# Altium PCB JTAG批量下载板-V1.6-ASCII.PcbDoc (part 10 of 14)
Units mil, origin at the board's own origin, x right, y up, seen from the top; angles counter-clockwise.
Board outline 7947.6 x 7007.76 mil, 2 copper layers (Top Layer, Bottom Layer); 207 components, 340 nets, 1329 pads, 792 vias.
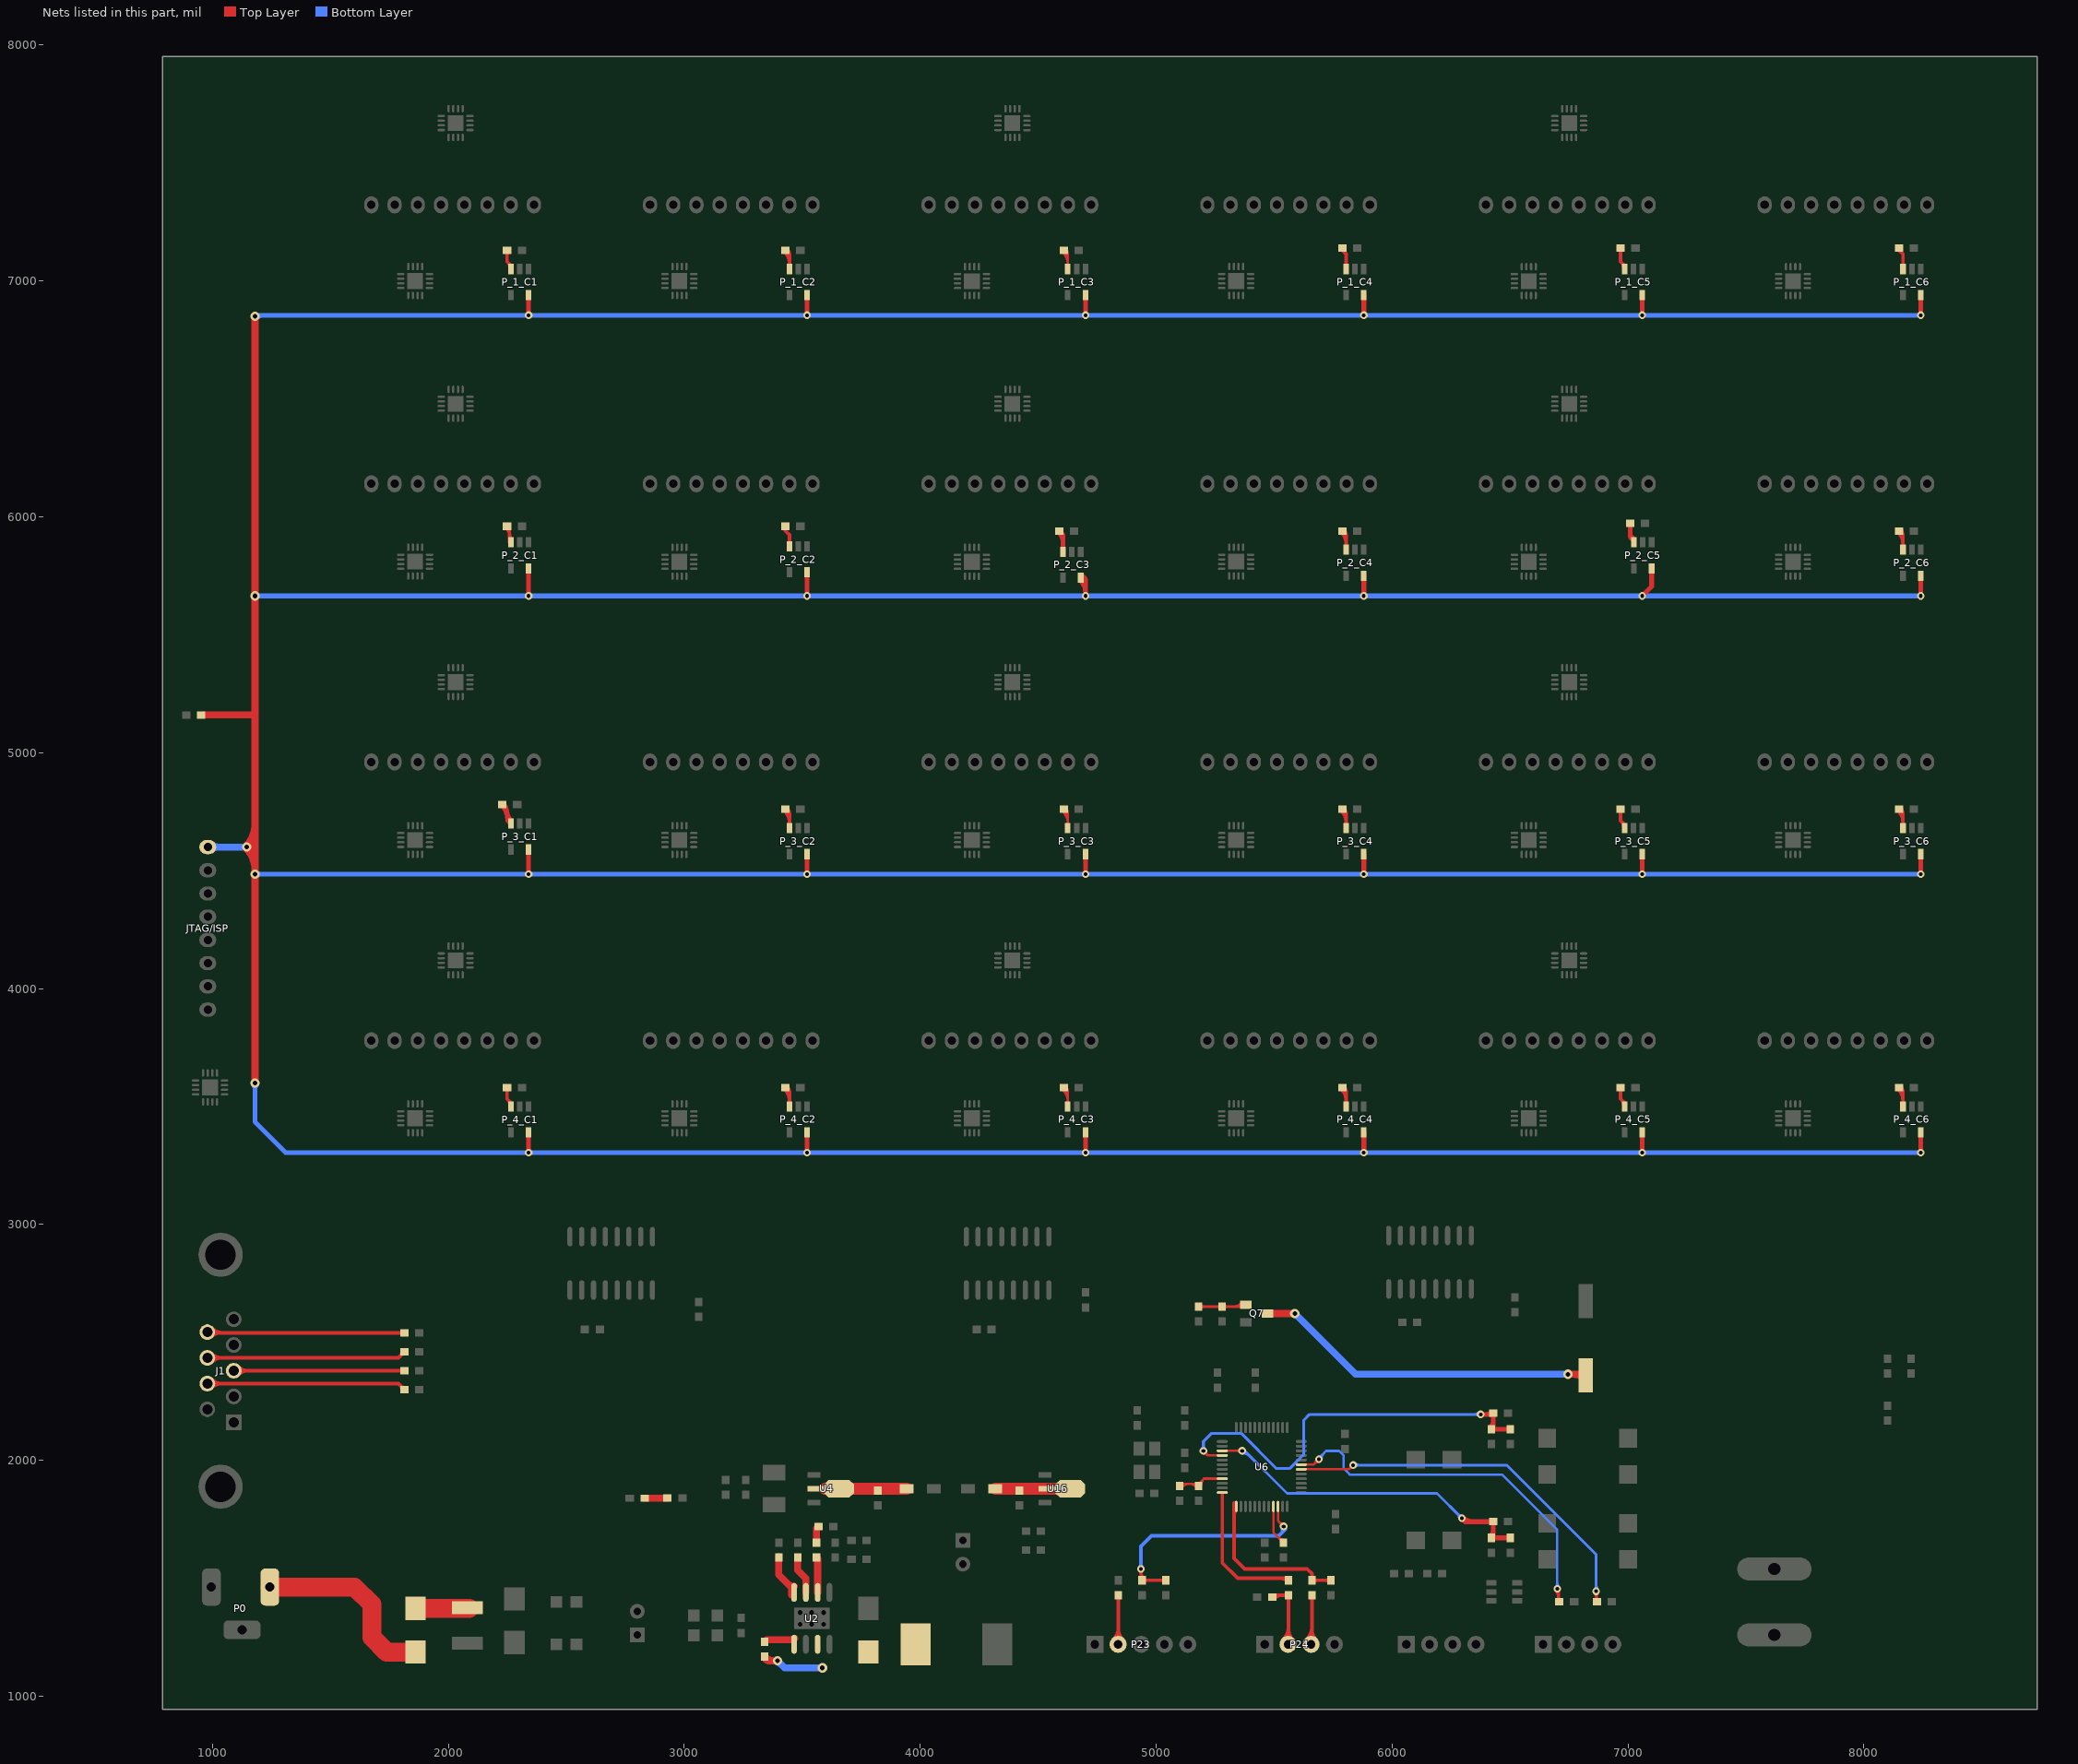
[diagram p10: the nets of this part, all layers, seen from the top]

## Via types
v1: diameter 32, hole 16, Top Layer to Bottom Layer, 721 vias
v2: diameter 50, hole 28, Top Layer to Bottom Layer, 45 vias
v3: diameter 40, hole 20, Top Layer to Bottom Layer, 26 vias

## Nets (pads, with @x,y where several pads share a name; then routed paths per layer and width w, separated by ;. In a path a pad name is that pad's centre, name@x,y a point inside that pad or via, vN(x,y) a via of type N, cw(c..) or ccw(c..) an arc to the next point about the centre after c; other vN are vias at no path point) (continued)
JTAG_VDD: C15.1 JTAG/ISP.1 P_1_C1.5 P_1_C2.5 P_1_C3.5 P_1_C4.5 P_1_C5.5 P_1_C6.5 P_2_C1.5 P_2_C2.5 P_2_C3.5 P_2_C4.5 P_2_C5.5 P_2_C6.5 P_3_C1.5 P_3_C2.5 P_3_C3.5 P_3_C4.5 P_3_C5.5 P_3_C6.5 P_4_C1.5 P_4_C2.5 P_4_C3.5 P_4_C4.5 P_4_C5.5 P_4_C6.5 | length 35148.9
  Top Layer w20: v1(2340,3305) P_4_C1.5@2340,3390.31 ; v1(2340,4485) P_3_C1.5@2340,4589.76 ; v1(2340,5665) P_2_C1.5@2340,5781.73 ; v1(2340,6855) P_1_C1.5@2340,6940.31 ; v1(3520,3305) P_4_C2.5@3520,3390.31 ; v1(3520,4485) P_3_C2.5@3520,4570.31 ; v1(3520,5665) P_2_C2.5@3520,5769.76 ; v1(3520,6855) P_1_C2.5@3520,6940.31 ; P_2_C3.5@4678.72,5730.61 cw(c4627.34,5679.23) v1@4700,5679.23 ; P_2_C3.5@4679.95,5730.08 cw(c4679.37,5709.46) 4700,5709.46 ; P_2_C3.5@4680,5741.73 4700,5721.73 v1(4700,5665) ; P_2_C3.5@4680.51,5750.07 cw(c4679.95,5730.03) 4700,5730.03 ; v1(4700,3305) P_4_C3.5@4700,3390.31 ; v1(4700,4485) P_3_C3.5@4700,4570.31 ; v1(4700,6855) P_1_C3.5@4700,6940.31 ; v1(5880,3305) P_4_C4.5@5880,3390.31 ; v1(5880,4485) P_3_C4.5@5880,4570.31 ; v1(5880,5665) P_2_C4.5@5880,5750.31 ; v1(5880,6855) P_1_C4.5@5880,6940.31 ; v1(7060,3305) P_4_C5.5@7060,3390.31 ; v1(7060,4485) P_3_C5.5@7060,4570.31 ; v1(7060,5665) 7100,5705 P_2_C5.5@7100,5781.73 ; v1(7060,6855) P_1_C5.5@7060,6940.31 ; v1(8240,3305) P_4_C6.5@8240,3390.31 ; v1(8240,4485) P_3_C6.5@8240,4570.31 ; v1(8240,5665) P_2_C6.5@8240,5750.31 ; v1(8240,6855) P_1_C6.5@8240,6940.31 ; P_2_C3.5@4680,5730.08 cw(c4680,5701.94) 4699.89,5721.84 ccw(c4680,5701.94) P_2_C3.5@4680,5730.08
  Top Layer w30: C15.1@965,5160 1175,5160 ; v3@1141.46,4596.46 cw(c1048.43,4503.43) v3@1180,4503.43 ; v3@1141.46,4603.54 ccw(c1048.43,4696.57) 1180,4696.57 ; v3(1145,4600) 1160,4600 1180,4580 ; 1162.68,4582.32 ccw(c1120.86,4624.14) 1180,4624.14 ; 1162.68,4617.68 cw(c1120.86,4575.86) 1180,4575.86 ; v3(1180,3600) v3(1180,6850) ; v3@1145,4595 cw(c1145,4546.72) 1179.14,4580.86 ccw(c1145,4546.72) v3@1145,4595
  Bottom Layer w20: v3(1180,3600) 1180,3435 1310,3305 v1(8240,3305) ; v3(1180,4485) v1(8240,4485) ; v3(1180,5665) v1(8240,5665) ; v3@1180,6855 v1(8240,6855) ; v3@1187.07,6842.93 cw(c1216.21,6813.79) 1216.21,6855 ; 1180,3575.86 cw(c1204.14,3575.86) 1187.07,3592.93 ccw(c1204.14,3575.86) 1180,3575.86 ; 1180,3575.86 ccw(c1155.86,3575.86) 1172.93,3592.93 cw(c1155.86,3575.86) 1180,3575.86 ; 1204.14,4485 cw(c1204.14,4509.14) 1187.07,4492.07 ccw(c1204.14,4509.14) 1204.14,4485 ; 1204.14,4485 ccw(c1204.14,4460.86) 1187.07,4477.93 cw(c1204.14,4460.86) 1204.14,4485 ; 1204.14,5665 cw(c1204.14,5689.14) 1187.07,5672.07 ccw(c1204.14,5689.14) 1204.14,5665 ; 1204.14,5665 ccw(c1204.14,5640.86) 1187.07,5657.93 cw(c1204.14,5640.86) 1204.14,5665
  Bottom Layer w30: JTAG/ISP.1@980,4600 v3(1145,4600) ; JTAG/ISP.1@996.61,4589.39 cw(c1022.21,4563.79) 1022.21,4600 cw(c1022.21,4636.21) JTAG/ISP.1@996.61,4610.61
KEY_1: C38.2 R36.1 R40.1 U6.4 | length 2472.7
  Top Layer w10: v1@5200,2029 cw(c5200,2002.44) 5218.78,2021.22 cw(c5237.56,2040) v1@5211,2040 ; v1(5200,2040) 5219.06,2020.94 U6.4@5280,2020.94
  Top Layer w20: v1(6375,2195) R36.1@6425,2195 ; R36.1@6428.5,2200 6428.5,2140 R40.1@6420,2131.5 C38.2@6500,2131.5 ; 6400.59,2195 ccw(c6400.59,2225.95) R36.1@6422.47,2204.06 ; 6400.59,2195 ccw(c6400.59,2225.95) R36.1@6422.47,2204.06 ; 6400.59,2195 ccw(c6400.59,2225.95) R36.1@6422.47,2204.06 ; 6400.59,2195 ccw(c6400.59,2225.95) R36.1@6422.47,2204.06 ; 6400.59,2195 ccw(c6400.59,2225.95) R36.1@6422.47,2204.06 ; R40.1@6415.94,2137.53 ccw(c6385.59,2167.87) 6428.5,2167.87 ; R40.1@6415.94,2137.53 ccw(c6385.59,2167.87) 6428.5,2167.87 ; R40.1@6415.94,2137.53 ccw(c6385.59,2167.87) 6428.5,2167.87 ; R40.1@6415.94,2137.53 ccw(c6385.59,2167.87) 6428.5,2167.87 ; R40.1@6415.94,2137.53 ccw(c6385.59,2167.87) 6428.5,2167.87
  Bottom Layer w12: v1(5200,2040) 5200,2080 5235,2115 5360,2115 5510,1965 5565,1965 5625,2025 5625,2170 5650,2195 v1(6375,2195) ; v1@5192.93,2047.07 ccw(c5175.86,2064.14) 5200,2064.14 ; v1@5192.93,2047.07 ccw(c5175.86,2064.14) 5200,2064.14 ; v1@5192.93,2047.07 ccw(c5175.86,2064.14) 5200,2064.14 ; v1@5192.93,2047.07 ccw(c5175.86,2064.14) 5200,2064.14 ; v1@5192.93,2047.07 ccw(c5175.86,2064.14) 5200,2064.14 ; 5200,2064.14 ccw(c5224.14,2064.14) v1@5207.07,2047.07 ; 5200,2064.14 ccw(c5224.14,2064.14) v1@5207.07,2047.07 ; 5200,2064.14 ccw(c5224.14,2064.14) v1@5207.07,2047.07 ; 5200,2064.14 ccw(c5224.14,2064.14) v1@5207.07,2047.07 ; 5200,2064.14 ccw(c5224.14,2064.14) v1@5207.07,2047.07 ; 6350.86,2195 cw(c6350.86,2170.86) v1@6367.93,2187.93 ; 6350.86,2195 ccw(c6350.86,2219.14) v1@6367.93,2202.07 ; 6350.86,2195 cw(c6350.86,2170.86) v1@6367.93,2187.93 ; 6350.86,2195 ccw(c6350.86,2219.14) v1@6367.93,2202.07 ; 6350.86,2195 cw(c6350.86,2170.86) v1@6367.93,2187.93 ; 6350.86,2195 ccw(c6350.86,2219.14) v1@6367.93,2202.07 ; 6350.86,2195 cw(c6350.86,2170.86) v1@6367.93,2187.93 ; 6350.86,2195 ccw(c6350.86,2219.14) v1@6367.93,2202.07 ; 6350.86,2195 cw(c6350.86,2170.86) v1@6367.93,2187.93 ; 6350.86,2195 ccw(c6350.86,2219.14) v1@6367.93,2202.07
KEY_2: C39.2 R37.1 R41.1 U6.3 | length 2398.5
  Top Layer w10: U6.3@5280,2040.63 v1(5364.37,2040.63) ; 5337.81,2040.63 cw(c5337.81,2014.07) v1@5356.59,2032.85 ; 5337.81,2040.63 ccw(c5337.81,2067.19) v1@5356.59,2048.41 ; 5337.81,2040.63 cw(c5337.81,2014.07) v1@5356.59,2032.85 ; 5337.81,2040.63 ccw(c5337.81,2067.19) v1@5356.59,2048.41 ; 5337.81,2040.63 cw(c5337.81,2014.07) v1@5356.59,2032.85 ; 5337.81,2040.63 ccw(c5337.81,2067.19) v1@5356.59,2048.41 ; 5337.81,2040.63 cw(c5337.81,2014.07) v1@5356.59,2032.85 ; 5337.81,2040.63 ccw(c5337.81,2067.19) v1@5356.59,2048.41 ; 5337.81,2040.63 cw(c5337.81,2014.07) v1@5356.59,2032.85 ; 5337.81,2040.63 ccw(c5337.81,2067.19) v1@5356.59,2048.41
  Top Layer w20: v1(6295,1755) 6310,1740 R37.1@6428.5,1740 6428.5,1672.99 R41.1@6430,1671.5 ; R41.1@6420,1671.5 C39.2@6500,1671.5 ; v1@6299.24,1759.24 ccw(c6345.7,1805.7) 6345.7,1740 ; v1@6299.24,1759.24 ccw(c6345.7,1805.7) 6345.7,1740 ; v1@6299.24,1759.24 ccw(c6345.7,1805.7) 6345.7,1740 ; v1@6299.24,1759.24 ccw(c6345.7,1805.7) 6345.7,1740 ; v1@6299.24,1759.24 ccw(c6345.7,1805.7) 6345.7,1740 ; R41.1@6415.94,1677.53 ccw(c6385.59,1707.87) 6428.5,1707.87 ; R41.1@6415.94,1677.53 ccw(c6385.59,1707.87) 6428.5,1707.87 ; R41.1@6415.94,1677.53 ccw(c6385.59,1707.87) 6428.5,1707.87 ; R41.1@6415.94,1677.53 ccw(c6385.59,1707.87) 6428.5,1707.87 ; R41.1@6415.94,1677.53 ccw(c6385.59,1707.87) 6428.5,1707.87
  Bottom Layer w12: v1(5364.37,2040.63) 5374.37,2040.63 5555,1860 6190,1860 v1(6295,1755) ; v1@5364.37,2030.63 cw(c5364.37,1982.35) 5398.51,2016.49 ; v1@5364.37,2030.63 cw(c5364.37,1982.35) 5398.51,2016.49 ; v1@5364.37,2030.63 cw(c5364.37,1982.35) 5398.51,2016.49 ; v1@5364.37,2030.63 cw(c5364.37,1982.35) 5398.51,2016.49 ; 6277.93,1772.07 cw(c6260.86,1755) v1@6285,1755 ; 6277.93,1772.07 ccw(c6295,1789.14) v1@6295,1765 ; 6277.93,1772.07 cw(c6260.86,1755) v1@6285,1755 ; 6277.93,1772.07 ccw(c6295,1789.14) v1@6295,1765 ; 6277.93,1772.07 cw(c6260.86,1755) v1@6285,1755 ; 6277.93,1772.07 ccw(c6295,1789.14) v1@6295,1765 ; 6277.93,1772.07 cw(c6260.86,1755) v1@6285,1755 ; 6277.93,1772.07 ccw(c6295,1789.14) v1@6295,1765 ; 6277.93,1772.07 cw(c6260.86,1755) v1@6285,1755 ; 6277.93,1772.07 ccw(c6295,1789.14) v1@6295,1765
LCD_RXD: P24.2 R49.1 R50.1 | length 1473.4
  Top Layer w10: R49.1@5491.5,1420 R49.1@5500,1428.5
  Top Layer w15: R49.1@5500,1428.5 R50.1@5560,1428.5 P24.2@5560,1221.57 ; R49.1@5499.3,1414.17 cw(c5533.91,1379.56) 5533.91,1428.5 ; R49.1@5499.3,1414.17 cw(c5533.91,1379.56) 5533.91,1428.5 ; R49.1@5499.3,1414.17 cw(c5533.91,1379.56) 5533.91,1428.5 ; R49.1@5499.3,1414.17 cw(c5533.91,1379.56) 5533.91,1428.5 ; R49.1@5499.3,1414.17 cw(c5533.91,1379.56) 5533.91,1428.5 ; P24.2@5538.27,1240.15 ccw(c5485.82,1292.61) 5560,1292.61 ; P24.2@5538.27,1240.15 ccw(c5485.82,1292.61) 5560,1292.61 ; P24.2@5538.27,1240.15 ccw(c5485.82,1292.61) 5560,1292.61 ; P24.2@5538.27,1240.15 ccw(c5485.82,1292.61) 5560,1292.61 ; P24.2@5538.27,1240.15 ccw(c5485.82,1292.61) 5560,1292.61 ; 5540.09,1428.5 cw(c5540.09,1408.59) R50.1@5554.17,1422.67 ; 5540.09,1428.5 ccw(c5540.09,1448.42) R50.1@5554.17,1434.34 ; 5540.09,1428.5 cw(c5540.09,1408.59) R50.1@5554.17,1422.67 ; 5540.09,1428.5 ccw(c5540.09,1448.42) R50.1@5554.17,1434.34 ; 5540.09,1428.5 cw(c5540.09,1408.59) R50.1@5554.17,1422.67 ; 5540.09,1428.5 ccw(c5540.09,1448.42) R50.1@5554.17,1434.34 ; 5540.09,1428.5 cw(c5540.09,1408.59) R50.1@5554.17,1422.67 ; 5540.09,1428.5 ccw(c5540.09,1448.42) R50.1@5554.17,1434.34 ; 5540.09,1428.5 cw(c5540.09,1408.59) R50.1@5554.17,1422.67 ; 5540.09,1428.5 ccw(c5540.09,1448.42) R50.1@5554.17,1434.34 ; P24.2@5548.88,1229.55 ccw(c5522.03,1256.39) 5560,1256.39 ; P24.2@5548.88,1229.55 ccw(c5522.03,1256.39) 5560,1256.39 ; P24.2@5548.88,1229.55 ccw(c5522.03,1256.39) 5560,1256.39 ; P24.2@5548.88,1229.55 ccw(c5522.03,1256.39) 5560,1256.39 ; P24.2@5548.88,1229.55 ccw(c5522.03,1256.39) 5560,1256.39 ; R50.1@5554.17,1420.7 cw(c5540.09,1406.62) 5560,1406.62 ; R50.1@5554.17,1420.7 cw(c5540.09,1406.62) 5560,1406.62 ; R50.1@5554.17,1420.7 cw(c5540.09,1406.62) 5560,1406.62 ; R50.1@5554.17,1420.7 cw(c5540.09,1406.62) 5560,1406.62 ; R50.1@5554.17,1420.7 cw(c5540.09,1406.62) 5560,1406.62 ; 5560,1285 ccw(c5623.43,1285) P24.2@5578.58,1240.15 ; 5560,1285 ccw(c5623.43,1285) P24.2@5578.58,1240.15 ; 5560,1285 ccw(c5623.43,1285) P24.2@5578.58,1240.15 ; 5560,1285 ccw(c5623.43,1285) P24.2@5578.58,1240.15 ; 5560,1285 ccw(c5623.43,1285) P24.2@5578.58,1240.15 ; 5560,1406.62 cw(c5579.91,1406.62) R50.1@5565.83,1420.7 ; 5560,1406.62 cw(c5579.91,1406.62) R50.1@5565.83,1420.7 ; 5560,1406.62 cw(c5579.91,1406.62) R50.1@5565.83,1420.7 ; 5560,1406.62 cw(c5579.91,1406.62) R50.1@5565.83,1420.7 ; 5560,1406.62 cw(c5579.91,1406.62) R50.1@5565.83,1420.7
LCD_TXD: P24.3 R47.1 | length 1072.4
  Top Layer w15: P24.3@5660,1223.15 R47.1@5660,1428.5 ; P24.3@5636.7,1240.15 ccw(c5580.44,1296.41) 5660,1296.41 ; P24.3@5636.7,1240.15 ccw(c5580.44,1296.41) 5660,1296.41 ; P24.3@5636.7,1240.15 ccw(c5580.44,1296.41) 5660,1296.41 ; P24.3@5636.7,1240.15 ccw(c5580.44,1296.41) 5660,1296.41 ; P24.3@5636.7,1240.15 ccw(c5580.44,1296.41) 5660,1296.41 ; P24.3@5647.3,1229.55 ccw(c5616.65,1260.2) 5660,1260.2 ; P24.3@5647.3,1229.55 ccw(c5616.65,1260.2) 5660,1260.2 ; P24.3@5647.3,1229.55 ccw(c5616.65,1260.2) 5660,1260.2 ; P24.3@5647.3,1229.55 ccw(c5616.65,1260.2) 5660,1260.2 ; P24.3@5647.3,1229.55 ccw(c5616.65,1260.2) 5660,1260.2 ; R47.1@5654.17,1420.7 cw(c5640.09,1406.62) 5660,1406.62 ; R47.1@5654.17,1420.7 cw(c5640.09,1406.62) 5660,1406.62 ; R47.1@5654.17,1420.7 cw(c5640.09,1406.62) 5660,1406.62 ; R47.1@5654.17,1420.7 cw(c5640.09,1406.62) 5660,1406.62 ; R47.1@5654.17,1420.7 cw(c5640.09,1406.62) 5660,1406.62 ; 5660,1281.2 ccw(c5718.05,1281.2) P24.3@5677,1240.15 ; 5660,1281.2 ccw(c5718.05,1281.2) P24.3@5677,1240.15 ; 5660,1281.2 ccw(c5718.05,1281.2) P24.3@5677,1240.15 ; 5660,1281.2 ccw(c5718.05,1281.2) P24.3@5677,1240.15 ; 5660,1281.2 ccw(c5718.05,1281.2) P24.3@5677,1240.15 ; 5660,1406.62 cw(c5679.91,1406.62) R47.1@5665.83,1420.7 ; 5660,1406.62 cw(c5679.91,1406.62) R47.1@5665.83,1420.7 ; 5660,1406.62 cw(c5679.91,1406.62) R47.1@5665.83,1420.7 ; 5660,1406.62 cw(c5679.91,1406.62) R47.1@5665.83,1420.7 ; 5660,1406.62 cw(c5679.91,1406.62) R47.1@5665.83,1420.7
MCU_RX1: R19.2 U6.31 | length 2352.3
  Top Layer w10: U6.31@5614.65,1981.57 5666.57,1981.57 v1(5690,2005) ; v1@5679,2005 cw(c5652.44,2005) 5671.22,1986.22 cw(c5690,1967.44) v1@5690,1994
  Top Layer w12: R19.2@6705,1395 v1@6705,1450 ; v1@6692.93,1447.93 cw(c6663.79,1418.79) 6705,1418.79 ; v1@6692.93,1447.93 cw(c6663.79,1418.79) 6705,1418.79 ; v1@6692.93,1447.93 cw(c6663.79,1418.79) 6705,1418.79 ; v1@6692.93,1447.93 cw(c6663.79,1418.79) 6705,1418.79 ; v1@6692.93,1447.93 cw(c6663.79,1418.79) 6705,1418.79 ; R19.2@6699.64,1406.89 ccw(c6686.71,1419.83) 6705,1419.83 ; R19.2@6699.64,1406.89 ccw(c6686.71,1419.83) 6705,1419.83 ; R19.2@6699.64,1406.89 ccw(c6686.71,1419.83) 6705,1419.83 ; R19.2@6699.64,1406.89 ccw(c6686.71,1419.83) 6705,1419.83 ; R19.2@6699.64,1406.89 ccw(c6686.71,1419.83) 6705,1419.83 ; 6705,1427.24 ccw(c6733.78,1427.24) R19.2@6713.43,1406.89 ; 6705,1427.24 ccw(c6733.78,1427.24) R19.2@6713.43,1406.89 ; 6705,1427.24 ccw(c6733.78,1427.24) R19.2@6713.43,1406.89 ; 6705,1427.24 ccw(c6733.78,1427.24) R19.2@6713.43,1406.89 ; 6705,1427.24 ccw(c6733.78,1427.24) R19.2@6713.43,1406.89
  Bottom Layer w10: v1(5690,2005) 5690,2010 5720,2040 5775,2040 5795,2020 5795,1965 5820,1940 6465,1940 6700,1705 v1(6700,1455) ; v1@5690,2016 ccw(c5690,2030.49) 5700.24,2020.24 ; v1@5690,2016 ccw(c5690,2030.49) 5700.24,2020.24 ; v1@5690,2016 ccw(c5690,2030.49) 5700.24,2020.24 ; v1@5690,2016 ccw(c5690,2030.49) 5700.24,2020.24 ; v1@5690,2016 ccw(c5690,2030.49) 5700.24,2020.24 ; v1@5701,2005 cw(c5739.63,2005) 5712.31,2032.31 ; v1@5701,2005 cw(c5739.63,2005) 5712.31,2032.31 ; v1@5701,2005 cw(c5739.63,2005) 5712.31,2032.31 ; v1@5701,2005 cw(c5739.63,2005) 5712.31,2032.31 ; v1@5701,2005 cw(c5739.63,2005) 5712.31,2032.31 ; v1@6692.22,1462.78 ccw(c6673.44,1481.56) 6700,1481.56 ; v1@6692.22,1462.78 ccw(c6673.44,1481.56) 6700,1481.56 ; v1@6692.22,1462.78 ccw(c6673.44,1481.56) 6700,1481.56 ; v1@6692.22,1462.78 ccw(c6673.44,1481.56) 6700,1481.56 ; 6700,1481.56 ccw(c6726.56,1481.56) v1@6707.78,1462.78 ; 6700,1481.56 ccw(c6726.56,1481.56) v1@6707.78,1462.78 ; 6700,1481.56 ccw(c6726.56,1481.56) v1@6707.78,1462.78 ; 6700,1481.56 ccw(c6726.56,1481.56) v1@6707.78,1462.78
MCU_RX2: R47.2 R48.2 U6.13 | length 1190.9
  Top Layer w15: 5330,1768.68 cw(c5357.07,1768.68) U6.13@5337.93,1787.82 ; 5330,1820 5330,1585 5375,1540 5640,1540 5660,1520 R47.2@5660,1491.5 R48.2@5740,1491.5 ; R47.2@5654.17,1499.3 ccw(c5640.09,1513.38) 5660,1513.38 ; R47.2@5654.17,1499.3 ccw(c5640.09,1513.38) 5660,1513.38 ; R47.2@5654.17,1499.3 ccw(c5640.09,1513.38) 5660,1513.38 ; R47.2@5654.17,1499.3 ccw(c5640.09,1513.38) 5660,1513.38 ; R47.2@5654.17,1499.3 ccw(c5640.09,1513.38) 5660,1513.38 ; 5660,1513.38 ccw(c5679.91,1513.38) R47.2@5665.83,1499.3 ; 5660,1513.38 ccw(c5679.91,1513.38) R47.2@5665.83,1499.3 ; 5660,1513.38 ccw(c5679.91,1513.38) R47.2@5665.83,1499.3 ; 5660,1513.38 ccw(c5679.91,1513.38) R47.2@5665.83,1499.3 ; 5660,1513.38 ccw(c5679.91,1513.38) R47.2@5665.83,1499.3 ; R47.2@5665.83,1485.66 cw(c5679.91,1471.58) 5679.91,1491.5 ; R47.2@5665.83,1485.66 cw(c5679.91,1471.58) 5679.91,1491.5 ; R47.2@5665.83,1485.66 cw(c5679.91,1471.58) 5679.91,1491.5 ; R47.2@5665.83,1485.66 cw(c5679.91,1471.58) 5679.91,1491.5 ; R47.2@5665.83,1485.66 cw(c5679.91,1471.58) 5679.91,1491.5 ; R47.2@5665.83,1497.33 ccw(c5679.91,1511.41) 5679.91,1491.5 ; R47.2@5665.83,1497.33 ccw(c5679.91,1511.41) 5679.91,1491.5 ; R47.2@5665.83,1497.33 ccw(c5679.91,1511.41) 5679.91,1491.5 ; R47.2@5665.83,1497.33 ccw(c5679.91,1511.41) 5679.91,1491.5 ; R47.2@5665.83,1497.33 ccw(c5679.91,1511.41) 5679.91,1491.5 ; 5720.09,1491.5 cw(c5720.09,1471.58) R48.2@5734.17,1485.66 ; 5720.09,1491.5 ccw(c5720.09,1511.41) R48.2@5734.17,1497.33 ; 5720.09,1491.5 cw(c5720.09,1471.58) R48.2@5734.17,1485.66 ; 5720.09,1491.5 ccw(c5720.09,1511.41) R48.2@5734.17,1497.33 ; 5720.09,1491.5 cw(c5720.09,1471.58) R48.2@5734.17,1485.66 ; 5720.09,1491.5 ccw(c5720.09,1511.41) R48.2@5734.17,1497.33 ; 5720.09,1491.5 cw(c5720.09,1471.58) R48.2@5734.17,1485.66 ; 5720.09,1491.5 ccw(c5720.09,1511.41) R48.2@5734.17,1497.33 ; 5720.09,1491.5 cw(c5720.09,1471.58) R48.2@5734.17,1485.66 ; 5720.09,1491.5 ccw(c5720.09,1511.41) R48.2@5734.17,1497.33
MCU_RX3: R44.2 R45.2 U6.22 | length 2269.8
  Top Layer w10: U6.22@5516.22,1804.41 5516.22,1743.78 v1(5540,1720) ; v1@5529,1720 ccw(c5502.44,1720) 5521.22,1738.78 ccw(c5540,1757.56) v1@5540,1731
  Top Layer w12: R44.2@4935,1495 v1(4935,1540) ; R44.2@4940,1491.5 5036.5,1491.5 R45.2@5045,1500 ; v1@4927.93,1532.93 cw(c4910.86,1515.86) 4935,1515.86 ; v1@4927.93,1532.93 cw(c4910.86,1515.86) 4935,1515.86 ; v1@4927.93,1532.93 cw(c4910.86,1515.86) 4935,1515.86 ; v1@4927.93,1532.93 cw(c4910.86,1515.86) 4935,1515.86 ; v1@4927.93,1532.93 cw(c4910.86,1515.86) 4935,1515.86 ; 4935,1515.86 cw(c4959.14,1515.86) v1@4942.07,1532.93 ; 4935,1515.86 cw(c4959.14,1515.86) v1@4942.07,1532.93 ; 4935,1515.86 cw(c4959.14,1515.86) v1@4942.07,1532.93 ; 4935,1515.86 cw(c4959.14,1515.86) v1@4942.07,1532.93 ; 4935,1515.86 cw(c4959.14,1515.86) v1@4942.07,1532.93 ; v1@4935,1529.07 ccw(c4975.6,1529.07) R44.2@4946.89,1500.36 ; v1@4935,1529.07 ccw(c4975.6,1529.07) R44.2@4946.89,1500.36 ; v1@4935,1529.07 ccw(c4975.6,1529.07) R44.2@4946.89,1500.36 ; v1@4935,1529.07 ccw(c4975.6,1529.07) R44.2@4946.89,1500.36 ; v1@4935,1529.07 ccw(c4975.6,1529.07) R44.2@4946.89,1500.36 ; R44.2@4946.89,1484.6 cw(c4963.53,1467.96) 4963.53,1491.5 ; R44.2@4946.89,1484.6 cw(c4963.53,1467.96) 4963.53,1491.5 ; R44.2@4946.89,1484.6 cw(c4963.53,1467.96) 4963.53,1491.5 ; R44.2@4946.89,1484.6 cw(c4963.53,1467.96) 4963.53,1491.5 ; R44.2@4946.89,1484.6 cw(c4963.53,1467.96) 4963.53,1491.5 ; R44.2@4946.89,1498.39 ccw(c4963.53,1515.03) 4963.53,1491.5 ; R44.2@4946.89,1498.39 ccw(c4963.53,1515.03) 4963.53,1491.5 ; R44.2@4946.89,1498.39 ccw(c4963.53,1515.03) 4963.53,1491.5 ; R44.2@4946.89,1498.39 ccw(c4963.53,1515.03) 4963.53,1491.5 ; R44.2@4946.89,1498.39 ccw(c4963.53,1515.03) 4963.53,1491.5 ; 5016.47,1491.5 cw(c5016.47,1467.96) R45.2@5033.11,1484.6 ; 5016.47,1491.5 ccw(c5016.47,1515.03) R45.2@5033.11,1498.39 ; 5016.47,1491.5 cw(c5016.47,1467.96) R45.2@5033.11,1484.6 ; 5016.47,1491.5 ccw(c5016.47,1515.03) R45.2@5033.11,1498.39 ; 5016.47,1491.5 cw(c5016.47,1467.96) R45.2@5033.11,1484.6 ; 5016.47,1491.5 ccw(c5016.47,1515.03) R45.2@5033.11,1498.39 ; 5016.47,1491.5 cw(c5016.47,1467.96) R45.2@5033.11,1484.6 ; 5016.47,1491.5 ccw(c5016.47,1515.03) R45.2@5033.11,1498.39 ; 5016.47,1491.5 cw(c5016.47,1467.96) R45.2@5033.11,1484.6 ; 5016.47,1491.5 ccw(c5016.47,1515.03) R45.2@5033.11,1498.39
  Bottom Layer w15: v1(4935,1540) 4935,1635 4980,1680 5520,1680 5540,1700 ; v1(5540,1720) 5540,1700 ; v1@4928.99,1546.01 ccw(c4914.48,1560.52) 4935,1560.52 ; v1@4928.99,1546.01 ccw(c4914.48,1560.52) 4935,1560.52 ; v1@4928.99,1546.01 ccw(c4914.48,1560.52) 4935,1560.52 ; v1@4928.99,1546.01 ccw(c4914.48,1560.52) 4935,1560.52 ; v1@4928.99,1546.01 ccw(c4914.48,1560.52) 4935,1560.52 ; 4935,1560.52 ccw(c4955.52,1560.52) v1@4941.01,1546.01 ; 4935,1560.52 ccw(c4955.52,1560.52) v1@4941.01,1546.01 ; 4935,1560.52 ccw(c4955.52,1560.52) v1@4941.01,1546.01 ; 4935,1560.52 ccw(c4955.52,1560.52) v1@4941.01,1546.01 ; 4935,1560.52 ccw(c4955.52,1560.52) v1@4941.01,1546.01 ; 5530,1690 ccw(c5515.51,1704.49) v1@5532.82,1715.45 ; 5530,1690 ccw(c5515.51,1704.49) v1@5532.82,1715.45 ; 5530,1690 ccw(c5515.51,1704.49) v1@5532.82,1715.45 ; 5530,1690 ccw(c5515.51,1704.49) v1@5532.82,1715.45 ; v1@5534.1,1713.88 cw(c5520.72,1700) 5540,1700 ; v1@5534.1,1713.88 cw(c5520.72,1700) 5540,1700 ; v1@5534.1,1713.88 cw(c5520.72,1700) 5540,1700 ; v1@5534.1,1713.88 cw(c5520.72,1700) 5540,1700 ; v1@5534.1,1713.88 cw(c5520.72,1700) 5540,1700 ; 5540,1700 cw(c5559.28,1700) v1@5545.9,1713.88 ; 5540,1700 cw(c5559.28,1700) v1@5545.9,1713.88 ; 5540,1700 cw(c5559.28,1700) v1@5545.9,1713.88 ; 5540,1700 cw(c5559.28,1700) v1@5545.9,1713.88 ; 5540,1700 cw(c5559.28,1700) v1@5545.9,1713.88 ; 5543.25,1703.25 ccw(c5531.74,1714.76) v1@5545.49,1723.48 ; 5543.25,1703.25 ccw(c5531.74,1714.76) v1@5545.49,1723.48 ; 5543.25,1703.25 ccw(c5531.74,1714.76) v1@5545.49,1723.48 ; 5543.25,1703.25 ccw(c5531.74,1714.76) v1@5545.49,1723.48
MCU_TX1: R18.2 U6.30 | length 2408.4
  Top Layer w10: U6.30@5614.65,1961.89 5816.89,1961.89 ; v1@5824,1979.71 cw(c5799.7,1979.08) 5816.89,1961.89 ; v1@5834.71,1969 ccw(c5834.08,1944.7) 5816.89,1961.89 ; v1(5835,1980) 5816.89,1961.89
  Top Layer w12: R18.2@6865,1400 v1(6865,1445) ; v1@6857.93,1437.93 cw(c6840.86,1420.86) 6865,1420.86 ; v1@6857.93,1437.93 cw(c6840.86,1420.86) 6865,1420.86 ; v1@6857.93,1437.93 cw(c6840.86,1420.86) 6865,1420.86 ; v1@6857.93,1437.93 cw(c6840.86,1420.86) 6865,1420.86 ; v1@6857.93,1437.93 cw(c6840.86,1420.86) 6865,1420.86 ; R18.2@6859.64,1406.89 ccw(c6846.71,1419.83) 6865,1419.83 ; R18.2@6859.64,1406.89 ccw(c6846.71,1419.83) 6865,1419.83 ; R18.2@6859.64,1406.89 ccw(c6846.71,1419.83) 6865,1419.83 ; R18.2@6859.64,1406.89 ccw(c6846.71,1419.83) 6865,1419.83 ; R18.2@6859.64,1406.89 ccw(c6846.71,1419.83) 6865,1419.83 ; 6865,1420.86 cw(c6889.14,1420.86) v1@6872.07,1437.93 ; 6865,1420.86 cw(c6889.14,1420.86) v1@6872.07,1437.93 ; 6865,1420.86 cw(c6889.14,1420.86) v1@6872.07,1437.93 ; 6865,1420.86 cw(c6889.14,1420.86) v1@6872.07,1437.93 ; 6865,1420.86 cw(c6889.14,1420.86) v1@6872.07,1437.93 ; 6865,1427.24 ccw(c6893.78,1427.24) R18.2@6873.43,1406.89 ; 6865,1427.24 ccw(c6893.78,1427.24) R18.2@6873.43,1406.89 ; 6865,1427.24 ccw(c6893.78,1427.24) R18.2@6873.43,1406.89 ; 6865,1427.24 ccw(c6893.78,1427.24) R18.2@6873.43,1406.89 ; 6865,1427.24 ccw(c6893.78,1427.24) R18.2@6873.43,1406.89